# Altium PCB ZLS_MCU.PcbDoc (part 5 of 5)
Units mil, origin at the board's own origin, x right, y up, seen from the top; angles counter-clockwise.
Board outline 6300.01 x 7600 mil, 6 copper layers (Top Layer, GND, Signal, PWR, GND (Mid2), Bottom Layer), stack 74.545 mil thick; 324 components, 353 nets, 1041 pads, 925 vias.
Unrouted connection lines stored in the file: 480.
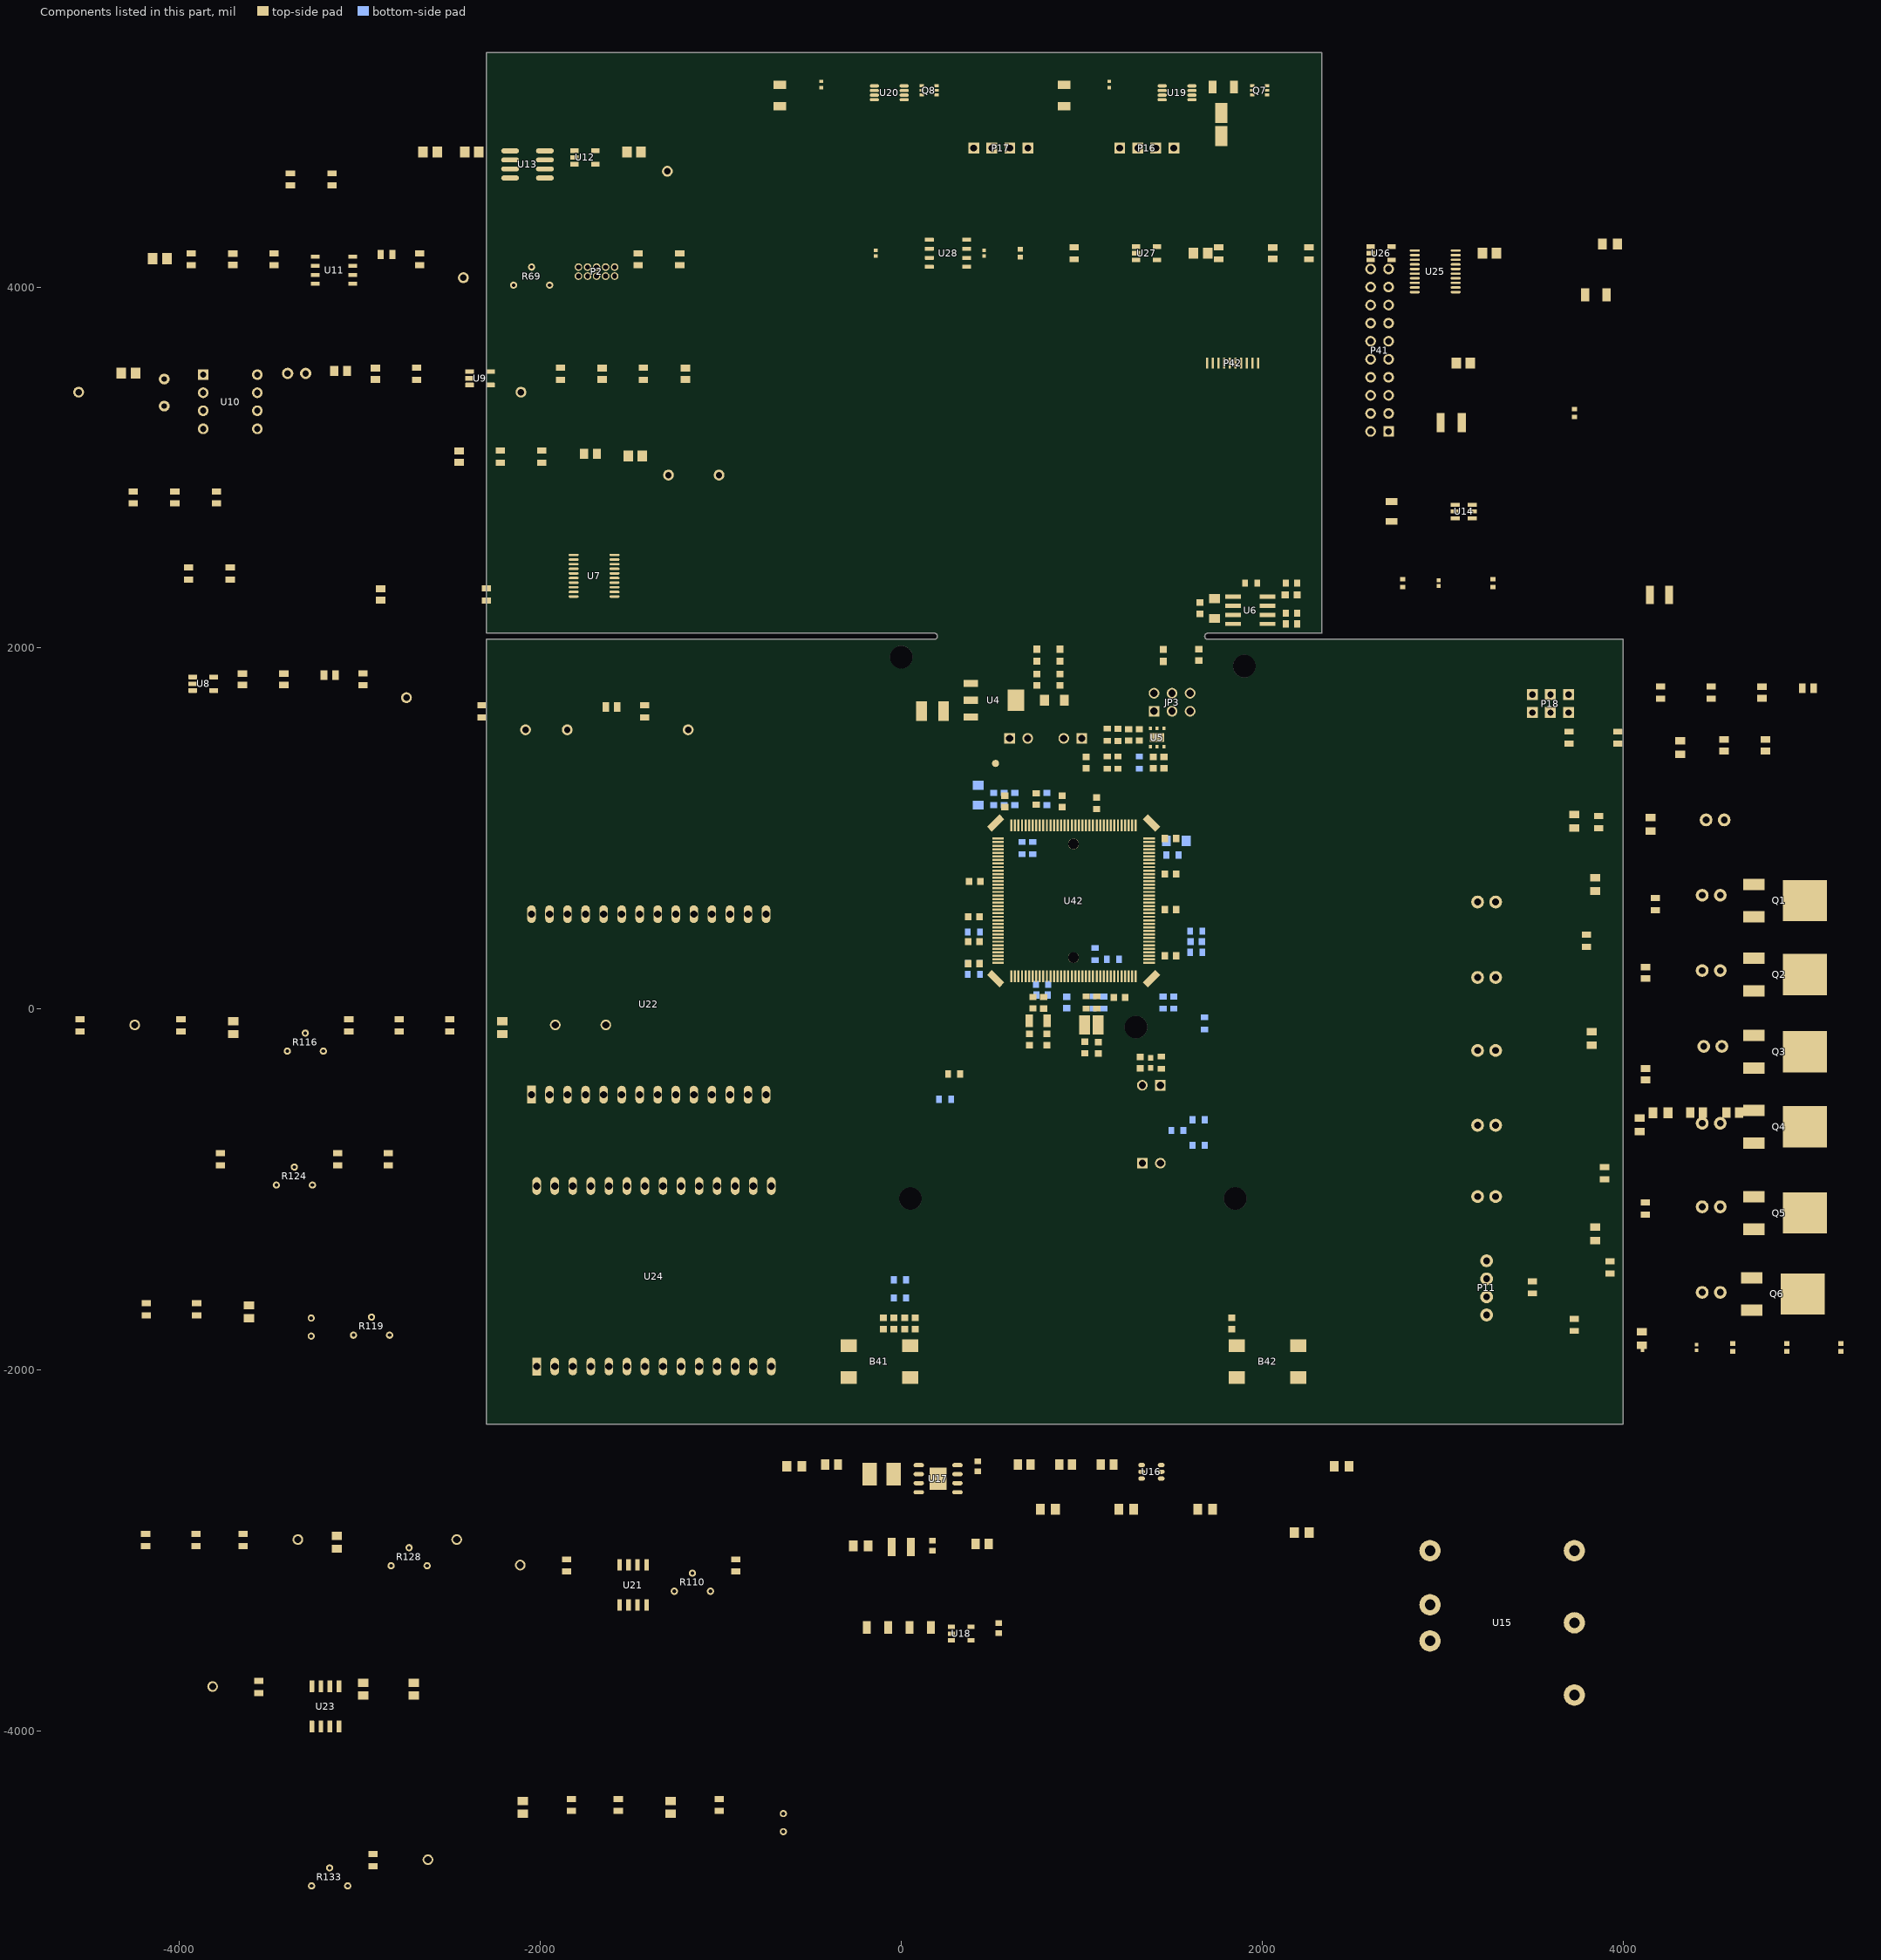
[diagram p9: the components of this part, seen from the top]

## Silkscreen, mask and mechanical layers (free items; w line width, h text height) (continued)
Drill Drawing:
  rectangle: 7618.07,7247.9 8262.07,7264.9
  rectangle: 7616.98,6882.49 8260.98,6899.49
  rectangle: 7618.83,7503.45 8262.83,7520.45
  rectangle: 7618.83,7363.38 8262.83,7380.38
  rectangle: 7618.83,7127.16 8262.83,7144.16
  rectangle: 7618.07,7011.68 8262.07,7028.68
  lines w5: -349.37,-2200.04 1040,-2200.04 1598,-2200.04 2249.06,-2200.04 ; -349.21,-2200 cw(c-349.21,-2121.26) -427.95,-2121.26 -427.95,2045.67 182.28,2045.67 ccw(c182.28,2065.35) 182.28,2085.04 -427.95,2085.04 -427.95,2970.87 cw(c-349.21,2970.87) -349.21,3049.61 2249.21,3049.61 cw(c2249.21,2970.87) 2327.95,2970.87 ; 2249.06,-2199.84 ccw(c2249.06,-2121.1) 2327.8,-2121.1 ; 2327.95,-2121.26 2327.95,2045.67 1698.03,2045.67 cw(c1698.03,2065.35) 1698.03,2085.04 2327.95,2085.04 2327.95,2970.87 ; 3832,5786 3852,5786 ; 2327.95,2970.87 2327.95,2970.87 ; 320.08,2045.67 cw(c320.08,2065.35) 320.08,2085.04 1068.11,2085.04 cw(c1068.11,2065.35) 1068.11,2045.67 320.08,2045.67 ; 1250,2045.67 cw(c1250,2065.35) 1250,2085.04 1538.58,2085.04 cw(c1538.58,2065.35) 1538.58,2045.67 1250,2045.67
  lines w7: 7801.43,7059.51 7663.43,7059.51 7663.43,7098.51 7840.43,7098.51 ; 7801.43,7295.73 7663.43,7295.73 7663.43,7334.73 7840.43,7334.73 ; 7840.43,7059.51 8017.43,7059.51 ; 7840.43,7295.73 8017.43,7295.73 ; 7899.43,7098.51 8037.43,7098.51 ; 7899.43,7334.73 8037.43,7334.73 ; 8057.43,7059.51 8214.43,7059.51 8214.43,7098.51 8096.43,7098.51 ; 8057.43,7295.73 8214.43,7295.73 8214.43,7334.73 8096.43,7334.73
  lines w8: 7683.94,6617.5 8261.08,6617.5 ; 7683.94,6700 8260.3,6700
  lines w10: 3577,5486 5972,5486 ; 3577,5586 5573,5586 5973,5586 5973,5587 ; 3577,5686 5573,5686 5973,5686 5973,5687 ; 4057,5388 4057,5786 ; 4377,5388 4377,5786 ; 4777,5388 4777,5786 ; 6837.24,8166.46 8500.24,8166.46 ; 7651.74,7419.45 8218.66,7419.45 ; 7651.74,7464.38 8218.66,7464.38 ; 7656.88,7169.81 8223.81,7169.81 ; 7656.88,7214.74 8223.81,7214.74 ; 7668.69,6937.52 8235.62,6937.52 ; 7668.69,6982.45 8235.62,6982.45 ; 5573,5388 3577,5388 3577,5786 5573,5786 ; 5573,5388 5573,5786 ; 5573,5388 5973,5388 5973,5786 5573,5786 ; 6185.92,6413.99 9060.92,6413.99 9060.92,8402.17 6185.92,8402.17 6185.92,6413.99
  text "LAYER STACK CONFIGURATION" at 7085.31,8200.65 h49.21
  text "6 LAYER BUILD" at 7273.95,7916.96 h49.21
  text "0.7mil" at 8510.25,7497.69 h39.37
  text "TOP LAYER" at 6886.1,7480.92 h49.21
  text "4mil" at 8292.18,7423.83 h39.37
  text "1.4mil" at 8510.25,7355.95 h39.37
  text "GND" at 6886.1,7347.97 h49.21
  text "13mil" at 8292.18,7296.9 h39.37
  text "MID LAYER 1" at 6886.1,7231.86 h49.21
  text "1.4mil" at 8508.72,7228.95 h39.37
  text "16.5mil" at 8292.18,7175.8 h39.37
  text "1.4mil" at 8510.69,7116.74 h39.37
  text "PWR" at 6886.1,7110.84 h49.21
  text "13mil" at 8292.18,7061.62 h39.37
  text "1.4mil" at 8510.69,7004.54 h39.37
  text "GND" at 6886.1,7000.6 h49.21
  text "4mil" at 8292.18,6941.55 h39.37
  text "0.7mil" at 8510.69,6880.52 h39.37
  text "BOTTOM LAYER" at 6886.1,6868.71 h49.21
  text "63mil" at 7739.87,6641.75 h49.21
  text "(plus soldermask thickness)" at 8071.71,6636.43 h49.21
  text "TOTAL BOARD THICKNESS: APPROX" at 6458.77,6635.88 h49.21
  text ".Legend" at 6563.47,6264.25 h60
  text "Notes" at 7443.78,6264.25 h49.21
  text "Silkscreen color : Blue ink PANTONE 2955" at 7658,6143.97 h49.21
  text "Solder resist color : White" at 7662,6058.97 h49.21
  text "IMPEDANCE TABLE" at 3583,5848 h49.21
  text "LAYER" at 3656,5711 h49.21
  text "WIDTH" at 4114,5711 h49.21
  text "Clearance" at 4436,5711 h49.21
  text "TOLERANCE" at 5582,5710 h49.21
  text "Differential Impedence" at 4830,5708.66 h49.21
  text "Layer1,6" at 3656,5622 h49.21
  text "5.1mil" at 4103,5609 h49.21
  text "9.9mil" at 4483,5607 h49.21
  text "100 OHM" at 4975,5607 h49.21
  text "+/- 10%" at 5617,5607 h49.21
  text "Layer1,6" at 3656,5510.34 h49.21
  text "90 OHM" at 4982,5510.34 h49.21
  text "+/- 10%" at 5601,5510.34 h49.21
  text "6.1mil" at 4103,5508 h49.21
  text "8.9mil" at 4483,5508 h49.21
  text "MB1137 B" at -227,3077 h60

## Dimensions
-2300,-2300 to 3970,-2100 on Drill Drawing
2147.65,5300 to 2249.06,-2200.04 on Drill Drawing